# KiCad board yddraig09.kicad_pcb (continued)
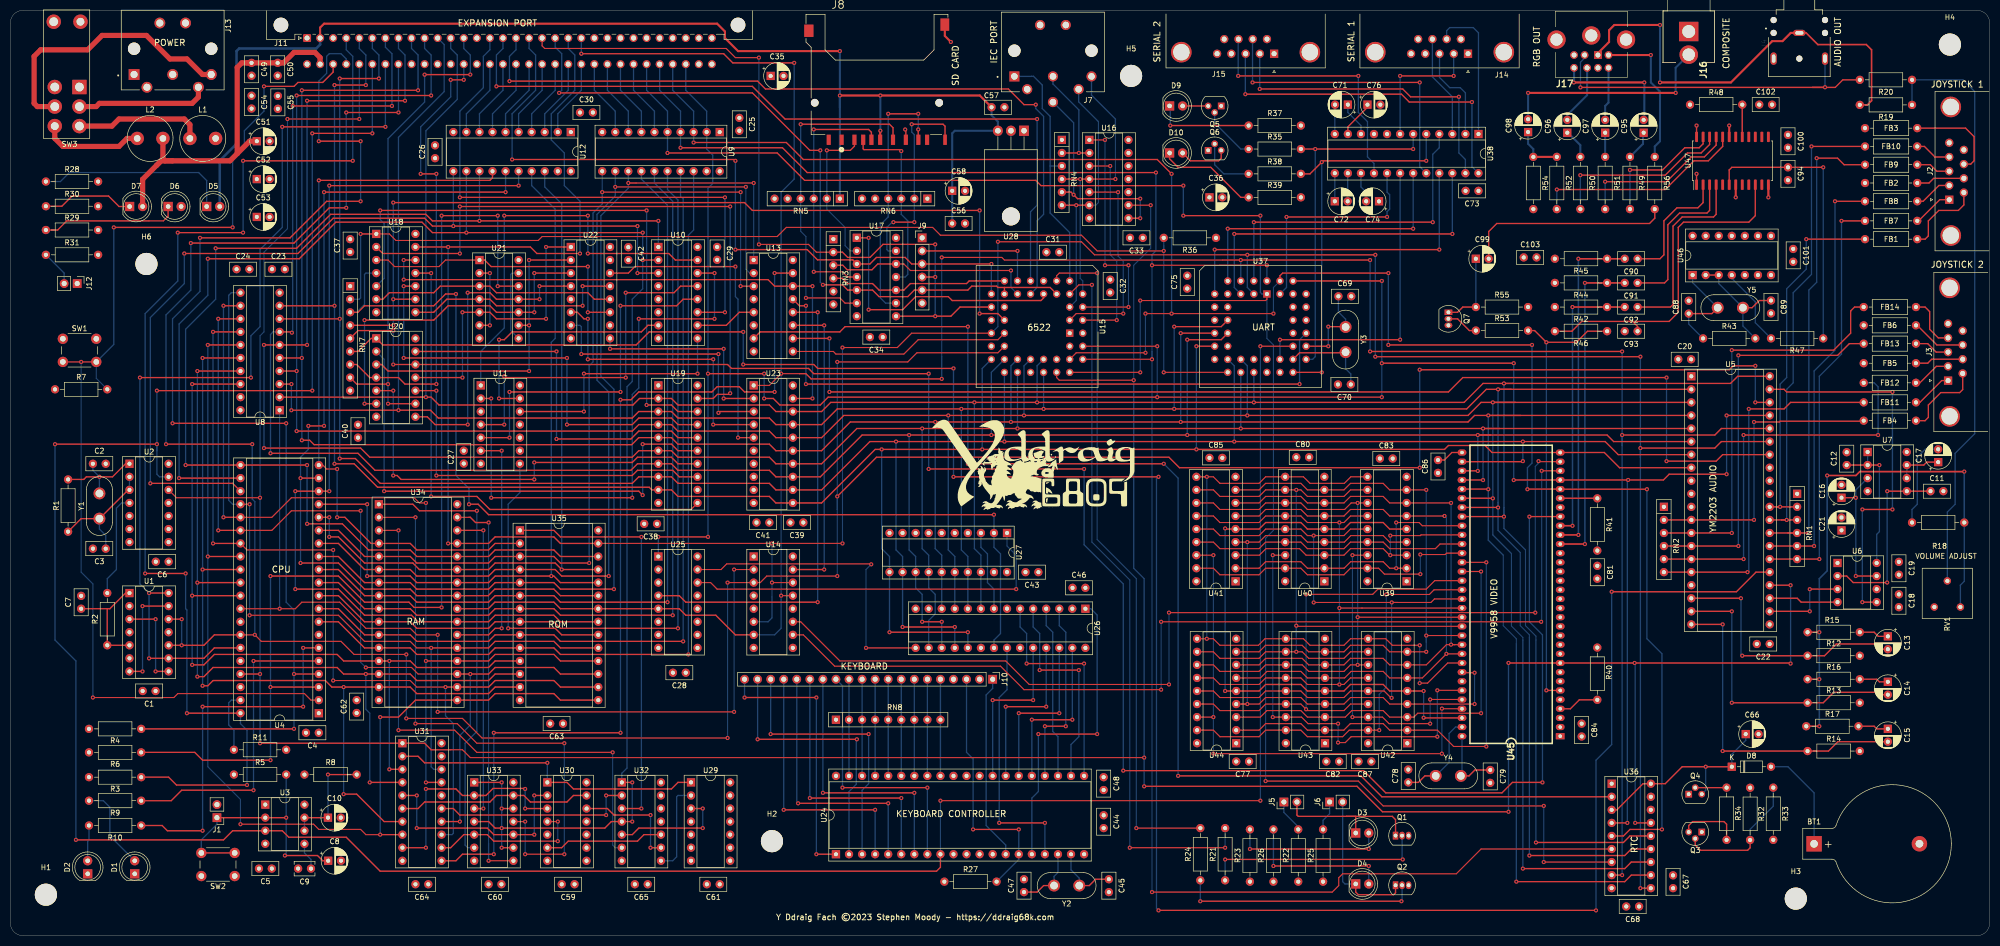
[diagram p0: board, top side]
## Routing (per net, layer and track width the routed paths; a pad name or vN(x,y) marks a point on that pad's centre or on a via; arc(x,y) is an arc through that point) (continued)
/Video/VD0: length 57.3
  Top w0.21: U45.41 274.62,79.75 274,80.37 v1(269.56,80.37) ; U41.2 242.89,71.48 244.16,72.75 251.02,72.75 252.29,71.48 U40.2 259.43,71.48 260.7,72.75 267.02,72.75 268.29,71.48 v1(269.56,71.48) U39.2
  Bottom w0.21: v1(269.56,80.37) v1(269.56,71.48)
/Video/VD1: length 53.2
  Top w0.21: v1(268.42,77.83) 274.26,77.83 274.4,77.97 U45.42 ; U41.3 242.95,74.02 244.22,75.29 250.76,75.29 252.03,74.02 U40.3 259.4,74.02 260.67,75.29 267.02,75.29 268.29,74.02 v1(268.42,74.02) U39.3
  Bottom w0.21: v1(268.42,77.83) v1(268.42,74.02)
/Video/VD2: length 54.7
  Top w0.21: U41.15 234,76.56 235.27,75.29 242.89,75.29 244.16,76.56 U40.15 251.02,76.56 252.29,75.29 259.4,75.29 260.67,76.56 U39.15 267.02,76.56 268.29,75.29 277.18,75.29 278.08,76.19 U45.43
/Video/VD3: length 58.2
  Top w0.21: U45.44 279.35,74.41 279.08,74.14 v1(274.26,74.14) ; U41.17 234,71.48 235.27,70.21 242.89,70.21 244.16,71.48 U40.17 251.02,71.48 252.29,70.21 259.4,70.21 260.67,71.48 U39.17 266.13,71.48 267.27,70.33 v1(274.26,70.33)
  Bottom w0.21: v1(274.26,70.33) v1(274.26,74.14)
/Video/VD4: length 92.6
  Top w0.21: U44.2 242.89,39.98 244.16,41.25 251.02,41.25 252.29,39.98 U43.2 259.37,39.98 260.64,41.25 267.02,41.25 268.29,39.98 U42.2 277.56,39.98 280.74,36.81 v1(287.09,36.81) ; U45.45 282.37,72.62 v1(287.09,72.62)
  Bottom w0.21: v1(287.09,36.81) v1(287.09,72.62)
/Video/VD5: length 81.3
  Top w0.21: v1(286.07,43.28) 273.75,43.28 272.99,42.52 U42.3 268.29,42.52 267.02,43.79 260.92,43.79 259.65,42.52 U43.3 252.29,42.52 251.02,43.79 244.41,43.79 243.14,42.52 U44.3 ; v1(286.07,70.84) 282.37,70.84 U45.46
  Bottom w0.21: v1(286.07,43.28) v1(286.07,70.84)
/Video/VD6: length 89.2
  Top w0.21: U45.47 277.06,69.07 275.4,67.41 266,67.41 264.99,66.4 v1(252.03,66.4) ; U44.15 234,45.06 235.27,43.79 242.89,43.79 244.16,45.06 U43.15 251.02,45.06 v1(252.03,44.04) 252.29,43.79 259.4,43.79 260.67,45.06 U42.15
  Bottom w0.21: v1(252.03,66.4) v1(252.03,44.04)
/Video/VD7: length 79.6
  Top w0.21: U44.17 234,39.98 235.27,38.71 242.89,38.71 244.16,39.98 U43.17 251.02,39.98 252.29,38.71 259.15,38.71 260.42,39.98 U42.17 v1(266.26,39.98) ; v1(267.6,66.37) 276.01,66.37 276.93,67.29 U45.48
  Bottom w0.21: v1(267.6,66.37) 267.63,66.35 267.63,48.34 266.26,46.97 v1(266.26,39.98)
/Video/VR~{W}: length 125.1
  Top w0.21: 239.46,45.06 v1(240.6,45.06) ; 239.46,45.06 242.89,45.06 244.16,46.33 251.02,46.33 252.29,45.06 U43.4 259.4,45.06 260.67,46.33 267.02,46.33 268.29,45.06 U42.4 v1(284.8,45.06) ; 239.46,45.06 U44.4 ; U45.57 282.47,51.16 v1(284.8,51.16) ; U39.4 268.29,76.56 267.02,77.83 260.73,77.83 259.46,76.56 U40.4 252.29,76.56 251.02,77.83 244.16,77.83 242.89,76.56 v1(240.6,76.56) U41.4
  Bottom w0.21: v1(240.6,45.06) v1(240.6,76.56) ; v1(284.8,45.06) v1(284.8,51.16)
/Video/~{CAS0}: length 102.2
  Top w0.21: v1(278.45,35.41) v1(234,35.41) ; U45.61 278.48,44.15 v1(278.45,44.17) ; v1(234,42.52) U44.16 ; U41.16 v1(234,74.02)
  Bottom w0.21: v1(278.45,44.17) v1(278.45,35.41) ; v1(234,35.41) v1(234,42.52) v1(234,74.02)
/Video/~{CAS1}: length 61
  Top w0.21: v1(261.05,42.52) U42.16 266.89,42.52 268.16,41.25 v1(276.16,41.25) ; U39.16 v1(261.05,74.02) ; v1(276.16,45.95) 282.34,45.95 U45.60
  Bottom w0.21: v1(261.05,74.02) v1(261.05,42.52) ; v1(276.16,45.95) v1(276.16,41.25)
/Video/~{CASX}: length 84.4
  Top w0.21: v1(277.56,47.73) 282.34,47.73 U45.59 ; v1(258.26,41.25) 252.42,41.25 251.14,42.52 U43.16 v1(245.56,42.52) ; U40.16 v1(245.56,74.02) ; v1(258.26,37.57) 259.65,37.57 260.8,38.71 v1(277.56,38.71)
  Bottom w0.21: v1(277.56,38.71) v1(277.56,47.73) ; v1(245.56,74.02) v1(245.56,42.52) ; v1(258.26,41.25) v1(258.26,37.57)
/Video/~{CSYNC}: length 87.6
  Top w0.25: R53.2 296.48,117.7 v1(298.77,115.42) 304.61,115.42 306.77,117.58 R46.1 ; v1(298.77,47.73) 298.79,47.71 U45.6
  Bottom w0.25: v1(298.77,47.73) v1(298.77,115.42)
/Video/~{RAS}: length 123.6
  Top w0.25: U41.5 239.46,79.1 ; 239.46,79.1 236.41,79.1 v1(236.29,79.22) ; 239.46,79.1 242.89,79.1 244.16,80.37 251.02,80.37 252.29,79.1 U40.5 259.4,79.1 260.67,80.37 267.02,80.37 268.29,79.1 U39.5 ; v1(274.89,47.6) U42.5 268.29,47.6 267.02,48.87 260.67,48.87 259.4,47.6 U43.5 252.29,47.6 251.02,48.87 244.16,48.87 242.89,47.6 U44.5 v1(236.29,47.6) ; v1(274.89,42.39) 274.92,42.37 U45.62
  Bottom w0.25: v1(274.89,42.39) 274.89,42.39 v1(274.89,47.6) ; v1(236.29,79.22) v1(236.29,47.6)
/VideoOut/BOUT: length 10.4
  Bottom w0.4: C97.2 310.2,161.39 310.85,162.05 J17.6
/VideoOut/CVOUT: length 42.3
  Top w0.4: v1(295.21,163.93) v1(323.92,163.93)
  Bottom w0.4: C98.2 v1(295.21,163.93) ; v1(323.92,163.93) 323.92,168.83 J16.2
/VideoOut/GOUT: length 11.7
  Bottom w0.4: J17.7 306.69,163.49 302.83,159.63 C96.2
/VideoOut/PAL_CLK: length 54.6
  Top w0.25: U47.6 334.33,148.95 334.84,149.45 C94.1 v1(352.62,149.45)
  Bottom w0.25: R47.1 v1(352.62,149.45)
/VideoOut/ROUT: length 23.9
  Top w0.4: v1(304.1,165.96) v1(317.82,165.96)
  Bottom w0.4: J17.8 304.15,166.01 v1(304.1,165.96) ; C95.2 317.82,158.81 v1(317.82,165.96)
/VideoOut/SYNCOUT: length 29.2
  Top w0.4: v1(319.09,171.3) J17.3
  Bottom w0.4: v1(319.09,171.3) 319.09,165.96 320.87,164.19 320.87,154.53 319.85,153.52 R56.1
/~{RD}: length 576.3
  Top w0.21: U14.13 v1(149.93,66.14) ; 235.78,131.42 193.36,131.42 192.85,131.93 v1(181.17,131.93) ; U23.1 147.64,107.04 v1(149.93,109.32) 153.48,109.32
  Top w0.25: v1(152.47,169.77) 140.53,169.77 138.75,171.55 v1(111.06,171.55) ; 153.48,109.32 154.75,109.32 155.77,108.31 v1(181.17,108.31) ; U36.8 v1(313.5,11.79) ; v1(313.5,113.64) v1(264.48,113.64) ; 235.78,131.42 v1(239.33,131.42) v1(264.48,131.42) ; U5.36 332.81,98.65 331.54,97.38 v1(313.5,97.38) ; U34.24 92.97,63.6 94.24,64.87 105.73,64.87 107,63.6 U35.22 U25.5 130.11,63.6 131.38,62.33 137.23,62.33 141.04,58.52 U14.7
  Bottom w0.21: 149.93,65.38 v1(149.93,66.14) v1(149.93,109.32) ; v1(181.17,131.93) 181.17,112.62
  Bottom w0.25: v1(264.48,113.64) v1(264.48,131.42) ; v1(313.5,11.79) 313.5,95.35 ; 313.5,95.35 v1(313.5,97.38) ; 313.5,95.35 v1(313.5,113.64) ; v1(181.17,108.31) 181.17,112.62 ; v1(152.47,169.77) 152.47,147.17 149.93,144.63 v1(149.93,109.32) ; U14.7 148.66,58.52 149.93,59.79 149.93,65.38 ; U37.4 v1(239.33,131.42) ; v1(111.06,171.55) J11.A22
/~{WR}: length 611.6
  Top w0.21: 239.33,132.44 210.89,132.44 208.35,134.98 v1(192.09,134.98) ; U14.14 v1(148.15,68.68) ; 146.88,76.3 v1(148.15,76.3) ; 146.88,76.3 U35.27 ; 146.88,76.3 v1(161.86,76.3) ; v1(161.86,114.4) 172.53,114.4 175.33,117.2 U15.24
  Top w0.25: v1(317.06,94.84) 331.54,94.84 332.81,96.11 U5.35 ; v1(265.5,132.44) v1(240.6,132.44) 239.33,132.44 ; U36.10 v1(317.06,9.25) ; v1(110.81,132.69) 102.43,132.69 101.16,133.96 v1(85.16,133.96) U18.13 ; U35.27 107,76.3 105.73,77.57 94.3,77.57 93.03,76.3 U34.29 v1(85.16,76.3) ; v1(317.06,112.62) v1(265.5,112.62)
  Bottom w0.21: U15.24 192.09,118.47 v1(192.09,134.98) ; 148.15,65.89 v1(148.15,68.68) v1(148.15,76.3) ; v1(161.86,76.3) v1(161.86,114.4)
  Bottom w0.25: v1(265.5,112.62) v1(265.5,132.44) ; 148.15,65.89 148.15,61.82 147.39,61.06 U14.6 ; 317.06,93.07 v1(317.06,94.84) ; 317.06,93.07 v1(317.06,9.25) ; 317.06,93.07 v1(317.06,112.62) ; v1(240.6,132.44) 240.6,126.09 U37.3 ; J11.A21 108.52,172.57 109.79,171.3 109.79,164.44 105.22,159.87 105.22,154.79 107.76,152.25 107.76,145.9 110.81,142.85 v1(110.81,132.69) ; v1(85.16,76.3) v1(85.16,133.96)
Net-(BT1-Pad1): length 20.4
  Bottom w0.25: D8.2 345.76,32.87 350.84,27.79 BT1.1
Net-(C2-Pad1): length 20.3
  Top w0.25: R1.1 14.29,88.75 14.8,89.26 18.1,89.26 ; 18.1,89.26 19.88,89.26 22.42,91.8 U2.1 ; 18.1,89.26 v1(17.34,89.26)
  Bottom w0.25: Y1.2 v1(17.34,89.26) 16.07,90.53 C2.1
Net-(C3-Pad1): length 24.2
  Top w0.25: U2.3 22.93,86.72 Y1.1 13.78,81.13 R1.2
  Bottom w0.25: U2.3 U2.2 ; Y1.1 17.34,79.1 18.57,77.87 C3.1
Net-(C8-Pad1): length 52.8
  Top w0.25: v1(53.66,22.96) U3.2 J1.1 ; SW2.2 SW2.2 ; v1(53.41,15.6) 59.76,15.6 60.77,14.58 C8.1
  Bottom w0.25: J1.1 40.2,21.69 37.15,18.64 SW2.2 ; R5.2 v1(53.66,22.96) 53.66,15.85 v1(53.41,15.6)
Net-(C9-Pad1): length 5.4
  Bottom w0.25: C9.1 58.49,14.83 57.22,16.1 U3.5
Net-(C10-Pad1): length 21.1
  Top w0.25: v1(61.79,31.34) R8.2 ; U3.7 C10.1
  Bottom w0.25: U3.6 U3.7 ; C10.1 v1(61.79,31.34)
Net-(C11-Pad1): length 36.4
  Top w0.25: v1(365.06,86.46) U7.5 C11.1 ; U6.2 357.18,69.96 358.45,68.69 v1(365.05,68.69)
  Bottom w0.25: v1(365.06,86.46) 365.05,86.45 v1(365.05,68.69)
Net-(C12-Pad1): length 28.1
  Top w0.25: C12.1 U7.2 v1(363.54,91.54)
  Bottom w0.25: v1(363.54,91.54) 363.54,78.59 363.02,78.07 U6.8 ; U7.2 U7.1
Net-(C13-Pad1): length 5.8
  Top w0.25: R15.2 362.52,59.03 363.33,58.23 C13.1
Net-(C13-Pad2): length 50.6
  Top w0.25: U5.18 v1(336.62,65.63) ; C13.2 363.54,55.73 362.52,56.74 355.16,56.74 352.87,54.46 R12.1 v1(336.87,54.46)
  Bottom w0.25: v1(336.87,54.46) 336.62,54.71 v1(336.62,65.63)
Net-(C14-Pad1): length 5.7
  Top w0.25: R16.2 363.03,49.89 363.54,49.38 C14.1
Net-(C14-Pad2): length 57
  Top w0.25: C14.2 363.75,46.88 363.29,47.35 354.65,47.35 352.62,45.31 R13.1 v1(334.84,45.31) ; v1(334.84,63.09) U5.19
  Bottom w0.25: v1(334.84,45.31) v1(334.84,63.09)
Net-(C15-Pad1): length 5.9
  Top w0.25: C15.1 363.03,40.23 362.52,40.74 R17.2
Net-(C15-Pad2): length 63.6
  Top w0.25: C15.2 355.45,37.73 353.63,35.92 R14.1 v1(333.06,35.92) ; v1(333.06,60.55) U5.20
  Bottom w0.25: v1(333.06,35.92) v1(333.06,60.55)
Net-(C16-Pad1): length 26.8
  Top w0.25: U6.7 v1(358.96,69.96) ; C16.1 358.94,85.19 v1(358.96,85.18)
  Bottom w0.25: U7.3 358.96,86.7 v1(358.96,85.18) v1(358.96,69.96)
Net-(C17-Pad1): length 8.9
  Top w0.25: U7.7 372.18,91.54 372.75,92.11 C17.1
  Bottom w0.25: U7.7 U7.6
Net-(C17-Pad2): length 17.8
  Bottom w0.25: R18.2 369.89,82.91 370.91,83.92 370.91,93.07 372.45,94.61 C17.2
Net-(C45-Pad1): length 13
  Top w0.25: Y2.1 209.87,9.75 211.1,10.98 C45.1
  Bottom w0.25: U24.19 206.31,12.8 207.91,11.2 Y2.1
Net-(C47-Pad1): length 12.8
  Top w0.25: Y2.2 200.98,9.75 199.71,8.48 C47.1
  Bottom w0.25: U24.18 203.77,12.29 203.01,11.53 Y2.2
Net-(C66-Pad1): length 40
  Top w0.25: U36.3 312.49,24.49 317.57,29.57 U36.18 321.88,29.57 325.19,32.87 v1(329.76,32.87) D8.1
  Bottom w0.25: v1(329.76,32.87) 329.76,28.3 Q4.3 ; D8.1 334.84,35.28 337.55,37.99 C66.1
Net-(C69-Pad1): length 18.1
  Top w0.25: v1(256.35,118.47) 259.65,118.47 Y3.1 ; U37.31 v1(256.35,114.66)
  Bottom w0.25: Y3.1 259.72,119.93 258.32,121.32 C69.1 ; v1(256.35,114.66) v1(256.35,118.47)
Net-(C70-Pad1): length 17.5
  Top w0.25: Y3.2 259.6,113.39 250.76,113.39 U37.30
  Bottom w0.25: Y3.2 259.72,110.27 260.73,109.26 C70.1
Net-(C71-Pad1): length 6.8
  Bottom w0.25: C71.1 260.16,160.12 262.7,157.58 U38.10
Net-(C71-Pad2): length 5.7
  Bottom w0.25: U38.12 257.62,161.61 C71.2
Net-(C72-Pad1): length 5.5
  Bottom w0.25: U38.13 C72.1
Net-(C72-Pad2): length 5.5
  Bottom w0.25: C72.2 260.12,148.27 U38.14
Net-(C74-Pad2): length 5.9
  Bottom w0.25: C74.2 263.72,144.63 262.7,145.64 U38.15
Net-(C76-Pad1): length 7.3
  Top w0.25: C76.1 263.97,161.14 260.16,157.33 U38.11
Net-(C78-Pad1): length 18.2
  Top w0.25: C78.1 273.88,29.82 275.15,31.09 Y4.1
  Bottom w0.25: U45.63 281.09,40.59 279.85,39.34 279.85,33.69 Y4.1
Net-(C79-Pad1): length 14
  Top w0.25: Y4.2 283.72,31.09 284.86,32.23 C79.1
  Bottom w0.25: U45.64 282.36,31.31 Y4.2
Net-(C86-Pad2): length 5.3
  Top w0.25: U45.33 280.39,93.99 278.92,92.52 C86.2
Net-(C88-Pad1): length 20.5
  Top w0.25: 332.1,122.15 330.95,121.01 C88.1
  Bottom w0.25: C88.1 326.46,118.97 R43.1 ; 332.1,122.15 327.22,127.03 U46.1
Net-(C89-Pad1): length 23.8
  Top w0.25: Y5.1 338.77,122.15 340.17,123.55 C89.1 ; U46.2 U46.3
  Bottom w0.25: U46.3 332.3,126.85 Y5.1 337,118.59 R43.2
Net-(C90-Pad1): length 24.6
  Top w0.25: U47.2 329.25,142.6 328.23,141.58 324.17,141.58 321.63,139.04 321.63,132.44 320.87,131.67 C90.1
Net-(C91-Pad1): length 31.1
  Top w0.25: C91.1 321.76,126.97 322.39,127.61 322.39,138.28 324.68,140.56 330.01,140.56 330.52,141.07 U47.3
Net-(C92-Pad1): length 37.4
  Top w0.25: U47.4 331.79,140.31 331.28,139.8 325.19,139.8 323.41,138.02 323.41,122.78 322.9,122.28 C92.1
Net-(C93-Pad1): length 68.1
  Top w0.25: U47.10 339.41,140.06 338.14,138.79 325.44,138.79 324.42,137.77 324.42,121.26 322.65,119.48 313.76,119.48 ; R46.2 303.72,117.58 305.63,119.48 313.76,119.48 ; 313.76,119.48 315.53,119.48 316.51,118.51 C93.1
Net-(C95-Pad1): length 5.8
  Bottom w0.4: R49.1 317.57,154.03 317.57,156.06 C95.1
Net-(C96-Pad1): length 5.8
  Bottom w0.4: C96.1 302.96,156.19 305.37,153.77 R50.1
Net-(C97-Pad1): length 4.7
  Bottom w0.4: C97.1 R51.1
Net-(C98-Pad1): length 9.8
  Top w0.4: R54.1 R52.1
  Bottom w0.4: C98.1 295.21,154.03 296.23,153.01 R54.1
Net-(C99-Pad1): length 15.2
  Top w0.25: Q7.1 281.5,121.26 282.51,122.28 R55.1
  Bottom w0.25: R55.1 C99.1
Net-(C99-Pad2): length 40.4
  Top w0.25: R56.2 319.85,139.55 318.84,138.53 289.12,138.53 287.55,136.97 C99.2
Net-(D1-Pad2): length 17
  Bottom w0.25: R9.2 18.1,26.26 19.37,24.99 19.37,19.41 D1.2
Net-(D2-Pad2): length 7
  Bottom w0.25: R10.2 15.31,18.64 15.05,18.39 D2.2
Net-(D3-Pad1): length 30.2
  Top w0.25: 259.91,23.22 261.69,23.22 D3.1 ; 259.91,23.22 268.8,23.22 269.43,22.58 Q1.1 ; 259.91,23.22 250.51,23.22 250.26,23.47 J5.2
Net-(D3-Pad2): length 30
  Top w0.25: v1(241.11,16.87) v1(264.23,16.87)
  Bottom w0.25: v1(264.23,16.87) D3.2 ; R23.2 v1(241.11,16.87)
Net-(D4-Pad1): length 29.4
  Top w0.25: Q2.1 269.43,8.36 269.05,7.98 262.19,7.98 261.69,8.48 D4.1
  Bottom w0.25: J6.2 259.15,10.52 259.59,10.07 D4.1
Net-(D4-Pad2): length 29.1
  Top w0.25: v1(245.68,13.56) v1(264.23,13.56)
  Bottom w0.25: R26.2 v1(245.68,13.56) ; v1(264.23,13.56) D4.2
Net-(D5-Pad1): length 37.7
  Bottom w0.25: D5.1 38.2,146.88 36.64,148.44 11.5,148.44 9.74,146.69 R28.1
Net-(D6-Pad1): length 26.8
  Top w0.21: 26.99,139.04 29.78,139.04 30.7,139.95
  Top w0.25: 30.7,139.95 D6.1 ; 26.99,139.04 10.99,139.04 9.21,137.26 R29.1
Net-(D7-Pad1): length 17.9
  Top w0.25: R30.1 10.02,141.88 12,143.87 19.12,143.87 21.15,141.83 D7.1
Net-(D9-Pad1): length 19.1
  Top w0.25: R37.1 v1(225.62,157.58)
  Bottom w0.25: v1(225.62,157.58) 225.62,161.25 D9.1
Net-(D9-Pad2): length 5
  Top w0.25: D9.2 Q5.3
Net-(D10-Pad1): length 19.6
  Top w0.25: D10.1 225.48,151.12 227.14,149.45 233.49,149.45 239.33,143.61 R39.1
Net-(D10-Pad2): length 9.9
  Top w0.25: D10.2 229.54,150.72 235.02,150.72 235.52,151.23 Q6.3
Net-(FB1-Pad1): length 71.4
  Top w0.25: 343.73,83.41 U5.30 ; 343.73,83.41 v1(344.24,83.41) ; 343.73,83.41 RN1.2 ; v1(349.32,135.48) FB1.1
  Bottom w0.25: v1(349.32,135.48) 349.32,129.64 345.51,125.83 345.51,108.56 344.24,107.29 v1(344.24,83.41)
Net-(FB1-Pad2): length 15.9
  Top w0.25: J2.6 379.97,142.13 378.91,141.07 375.1,141.07 373.06,139.04 373.06,136.12 372.43,135.48 FB1.2
Net-(FB2-Pad2): length 9.4
  Top w0.25: FB2.2 373.19,146.41 374.1,147.31 J2.7
Net-(FB3-Pad2): length 18.7
  Top w0.25: J2.8 381.31,150.08 381.95,150.72 381.95,155.42 380.3,157.07 FB3.2
Net-(FB4-Pad1): length 58
  Top w0.25: v1(339.16,99.92) 344.09,99.92 344.24,100.07 360.38,100.07 FB4.1 ; v1(339.16,80.87) U5.12 RN2.2
  Bottom w0.25: v1(339.16,99.92) v1(339.16,80.87)
Net-(FB4-Pad2): length 16.1
  Top w0.25: J3.6 379.74,106.22 379.16,105.64 375.48,105.64 373.06,103.23 373.06,100.81 372.43,100.18 FB4.2
Net-(FB5-Pad2): length 9.4
  Top w0.25: J3.7 373.71,112.13 372.94,111.35 FB5.2
Net-(FB6-Pad2): length 10.7
  Top w0.25: J3.8 374.73,114.9 370.91,118.72 FB6.2
Net-(FB7-Pad1): length 81.8
  Top w0.25: v1(356.17,139.04) FB7.1 ; U5.26 RN1.6 v1(351.86,73.25)
  Bottom w0.25: v1(356.17,139.04) 356.17,113.13 351.86,108.81 v1(351.86,73.25)
Net-(FB7-Pad2): length 7.9
  Top w0.25: FB7.2 371.16,139.04 375.27,143.15 J2.1
Net-(FB8-Pad1): length 83.2
  Top w0.25: U5.27 RN1.5 v1(350.84,75.79) ; FB8.1 v1(354.9,142.85)
  Bottom w0.25: v1(350.84,75.79) 350.84,109.83 354.9,113.89 v1(354.9,142.85)
Net-(FB8-Pad2): length 7.5
  Top w0.25: FB8.2 372.05,142.85 375.12,145.92 J2.2
Net-(FB9-Pad1): length 92.9
  Top w0.25: RN1.4 345.76,78.33 ; 345.76,78.33 U5.28 ; 345.76,78.33 v1(349.82,78.33) ; FB9.1 356.68,149.96 355.41,151.23 v1(351.35,151.23)
  Bottom w0.25: v1(349.82,78.33) 349.82,125.58 351.35,127.1 v1(351.35,151.23)
Net-(FB9-Pad2): length 6.7
  Top w0.25: J2.3 374.71,148.69 373.45,149.96 FB9.2
Net-(FB10-Pad1): length 91.4
  Top w0.25: 344.49,80.87 v1(345.51,80.87) ; 344.49,80.87 U5.29 ; 344.49,80.87 RN1.3 ; v1(350.33,153.52) FB10.1
  Bottom w0.25: v1(345.51,80.87) 345.51,106.27 346.78,107.54 346.78,125.07 350.33,128.63 v1(350.33,153.52)
Net-(FB10-Pad2): length 7.1
  Top w0.25: FB10.2 372.3,153.52 374.36,151.46 J2.4
Net-(FB11-Pad1): length 71
  Top w0.25: FB11.1 346.27,103.73 345,102.46 v1(338.14,102.46) ; RN2.6 U5.16 v1(337.89,70.71)
  Bottom w0.25: v1(338.14,102.46) 338.14,70.97 v1(337.89,70.71)
Net-(FB11-Pad2): length 8
  Top w0.25: FB11.2 371.41,103.73 375.66,107.98 J3.1
Net-(FB12-Pad1): length 78.3
  Top w0.25: v1(337.12,73.25) U5.15 RN2.5 ; v1(337.12,97.38) v1(363.29,97.38)
  Bottom w0.25: FB12.1 362.52,107.54 363.29,106.78 v1(363.29,97.38) ; v1(337.12,73.25) v1(337.12,97.38)
Net-(FB12-Pad2): length 7.6
  Top w0.25: J3.2 374.62,110.75 371.41,107.54 FB12.2
Net-(FB13-Pad1): length 76.9
  Top w0.25: FB13.1 357.7,115.16 355.41,112.88 v1(336.11,112.88) ; v1(336.11,75.79) U5.14 RN2.4
  Bottom w0.25: v1(336.11,75.79) v1(336.11,112.88)
Net-(FB13-Pad2): length 6.9
  Top w0.25: J3.3 374.59,113.52 372.94,115.16 FB13.2
Net-(FB14-Pad1): length 80.4
  Top w0.25: RN2.3 U5.13 v1(334.84,78.33) ; FB14.1 358.71,122.28 357.95,121.51 357.95,117.2 354.65,113.89 v1(334.84,113.89)
  Bottom w0.25: v1(334.84,78.33) v1(334.84,113.89)
Net-(FB14-Pad2): length 10.7
  Top w0.25: FB14.2 372.43,122.28 373.32,121.39 373.32,117.96 374.99,116.29 J3.4
Net-(J5-Pad1): length 6.5
  Bottom w0.25: R22.2 250.51,21.18 247.72,23.98 J5.1
Net-(J6-Pad1): length 5.9
  Bottom w0.25: R25.2 255.34,22.45 256.61,23.72 J6.1
Net-(J12-Pad2): length 7.1
  Bottom w0.25: R31.1 10.48,128.88 J12.2
Net-(J13-Pad3): length 52.7
  Top w1: SW3.5 5.26,161.28 4.64,161.9 4.64,171.04 5.91,172.31 15.05,172.31 17.85,175.11 26.48,175.11 31.05,170.54 34.36,170.54 37.38,167.51 J13.3
Net-(J13-Pad5): length 25.8
  Top w1: J13.5 36.59,163.12 35.37,161.9 17.34,161.9 16.71,161.28 SW3.2
Net-(J14-Pad2): length 26
  Top w0.25: v1(270.32,167.23) v1(280.74,167.23)
  Bottom w0.25: v1(280.74,167.23) 280.74,171.53 J14.2 ; U38.7 v1(270.32,167.23)
Net-(J14-Pad3): length 18.9
  Bottom w0.25: U38.2 283.02,163.93 282.01,164.95 279.97,164.95 277.99,166.93 J14.3
Net-(J14-Pad7): length 28.2
  Bottom w0.25: U38.1 285.56,175.62 284.55,176.63 279.97,176.63 279.38,176.03 J14.7
Net-(J14-Pad8): length 20.1
  Bottom w0.25: J14.8 276.61,167.05 280.48,163.17 U38.3
Net-(J15-Pad2): length 61.6
  Top w0.25: v1(243.02,164.69) 270.83,164.69 272.35,163.17 v1(281.75,163.17)
  Bottom w0.25: J15.2 243.02,171.53 v1(243.02,164.69) ; U38.23 283.02,150.98 281.75,152.25 v1(281.75,163.17)
Net-(J15-Pad3): length 67
  Top w0.25: v1(284.29,162.15) 272.1,162.15 270.58,163.68 v1(240.22,163.68)
  Bottom w0.25: v1(240.22,163.68) 240.22,171.5 240.27,171.55 ; U38.24 284.29,149.58 v1(284.29,162.15)
Net-(J15-Pad7): length 59
  Top w0.25: v1(241.62,165.96) v1(274.13,165.96)
  Bottom w0.25: U38.20 274.13,149.58 v1(274.13,165.96) ; 241.62,174.3 v1(241.62,165.96)
Net-(J15-Pad8): length 50.6
  Top w0.25: v1(238.83,167.23) v1(262.19,167.23)
  Bottom w0.25: U38.16 265.24,150.22 263.97,151.49 263.97,158.34 262.19,160.12 v1(262.19,167.23) ; 238.83,174.32 v1(238.83,167.23)
Net-(L1-Pad1): length 25.2
  Top w1: SW3.3 19.77,157.47 21.15,158.85 33.85,158.85 34.94,157.76 L1.1
Net-(L2-Pad1): length 19.7
  Top w1: L2.1 22.7,155.07 21.15,153.52 10.23,153.52 8.65,155.09 SW3.6
Net-(Q1-Pad2): length 43.3
  Top w0.25: v1(270.83,14.83) v1(236.29,14.83)
  Bottom w0.25: v1(270.83,14.83) 270.7,14.96 Q1.2 ; v1(236.29,14.83) R21.1
Net-(Q2-Pad2): length 46.3
  Top w0.25: v1(270.58,6.71) v1(231.46,6.71)
  Bottom w0.25: v1(231.46,6.71) R24.1 ; Q2.2 270.7,6.83 v1(270.58,6.71)
Net-(Q3-Pad2): length 26.1
  Top w0.25: R32.2 338.4,17.1 337.91,16.61 328.74,16.61 327.73,17.63 Q3.2
  Bottom w0.25: R33.1 342.9,25.2 338.4,20.7 R32.2
Net-(Q3-Pad3): length 12.2
  Top w0.25: Q3.3 326.46,21.44 327.22,22.2 333.31,22.2 333.82,21.69 R34.2
Net-(Q4-Pad2): length 6.1
  Top w0.25: Q4.2 R34.1
Net-(Q5-Pad2): length 10.7
  Bottom w0.25: Q5.2 234.25,158.09 239.33,153.01 R35.1
Net-(Q6-Pad2): length 11.4
  Bottom w0.25: Q6.2 234.25,149.96 236.03,148.18 R38.1
Net-(Q7-Pad2): length 6.3
  Top w0.25: R53.1 283.78,117.7 281.5,119.99 Q7.2
Net-(R2-Pad2): length 20.2
  Bottom w0.25: U2.4 21.66,84.18 20.64,83.16 20.64,71.22 18.86,69.44 R2.2
Net-(R9-Pad1): length 60.5
  Top w0.25: v1(47.31,53.44) U4.5 ; v1(47.31,28.3) 33.34,28.3 31.31,26.26 R9.1
  Bottom w0.25: v1(47.31,28.3) v1(47.31,53.44)
Net-(R10-Pad1): length 70.5
  Top w0.25: v1(37.4,20.42) 30.55,20.42 29.53,21.44 R10.1 ; v1(37.4,44.55) v1(56.96,44.55) ; v1(56.96,55.98) U4.6
  Bottom w0.25: v1(56.96,44.55) v1(56.96,55.98) ; v1(37.4,20.42) v1(37.4,44.55)
Net-(R11-Pad1): length 12.1
  Bottom w0.25: R11.1 43.5,39.98 42.48,41 42.48,45.31 42.99,45.82 U4.39
Net-(R19-Pad1): length 115.4
  Bottom w0.25: RV1.2 376.76,82.41 378.27,83.92 378.27,93.83 382.08,97.64 382.08,164.19 379.8,166.47 R20.1 R19.1
Net-(R40-Pad1): length 7.9
  Top w0.25: R40.1 305.18,45.89 303.44,44.15 U45.4
Net-(R41-Pad1): length 7.2
  Top w0.25: U45.27 308.65,85.09 R41.1
Net-(R47-Pad2): length 15.5
  Bottom w0.25: U46.4 334.84,127.86 339.41,123.29 339.41,119.23 R47.2
Net-(R48-Pad2): length 6.3
  Top w0.25: U47.17 R48.2
Net-(R49-Pad2): length 25.3
  Top w0.25: v1(315.03,148.95) 321.38,148.95 325.69,153.26 328.49,153.26 329.25,154.03 U47.23
  Bottom w0.25: v1(315.03,148.95) R49.2
Net-(R50-Pad2): length 35.7
  Top w0.25: U47.22 330.52,153.9 328.87,152.25 326.2,152.25 321.88,147.93 v1(305.37,147.93)
  Bottom w0.25: v1(305.37,147.93) R50.2
Net-(R51-Pad2): length 31.5
  Top w0.25: v1(310.2,146.66) 322.14,146.66 326.96,151.49 329.5,151.49 331.79,153.77 U47.21
  Bottom w0.25: v1(310.2,146.66) R51.2
Net-(R52-Pad2): length 41.4
  Top w0.25: v1(300.8,145.14) 321.88,145.14 327.47,150.72 330.27,150.72 333.06,153.52 U47.20
  Bottom w0.25: v1(300.8,145.14) R52.2
Net-(U1-Pad3): length 17.8
  Top w0.25: U1.8 v1(28.26,51.41) ; v1(28.26,61.57) U1.3
  Bottom w0.25: v1(28.26,51.41) v1(28.26,61.57)
Net-(U1-Pad13): length 20.3
  Top w0.25: v1(25.72,64.11) U1.13 ; U1.7 v1(25.72,51.41)
  Bottom w0.25: v1(25.72,51.41) v1(25.72,64.11)
Net-(U5-Pad22): length 17.5
  Top w0.25: v1(350,63.1) 349.99,63.09 U5.22 ; U6.3 350.02,67.42 v1(350,67.4)
  Bottom w0.25: v1(350,63.1) v1(350,67.4)
Net-(U5-Pad23): length 13.5
  Top w0.25: U6.4 348.32,64.88 347.57,65.63 U5.23
Net-(U5-Pad39): length 73.6
  Top w0.25: v1(366.08,105.77) 345.51,105.77 345,106.27 U5.39 ; v1(360.24,82.91) v1(366.08,82.91) ; U6.5 v1(360.23,64.88)
  Bottom w0.25: v1(366.08,82.91) v1(366.08,105.77) ; v1(360.23,64.88) 360.23,82.89 v1(360.24,82.91)
Net-(U18-Pad2): length 121.6
  Top w0.25: U18.2 72.46,132.69 v1(87.44,132.69) ; v1(87.44,141.83) v1(140.02,141.83) ; v1(140.02,105.51) 139.8,105.3 137.52,105.3 136.72,104.5 U19.19
  Bottom w0.25: v1(140.02,141.83) v1(140.02,105.51) ; v1(87.44,132.69) v1(87.44,141.83)
Net-(U18-Pad3): length 55.9
  Top w0.21: U21.1 84.65,131.42 83.38,130.15 74.74,130.15 73.47,131.42 U18.3
  Top w0.25: U21.1 92.27,131.42 93.54,130.15 v1(112.33,130.15) ; v1(112.33,121.26) U22.11
  Bottom w0.25: v1(112.33,130.15) v1(112.33,121.26)
Net-(U18-Pad5): length 115.8
  Top w0.25: U19.18 129.86,101.96 128.59,103.23 v1(123.76,103.23) ; v1(123.76,141.07) v1(71.95,141.07)
  Bottom w0.25: v1(123.76,103.23) v1(123.76,141.07) ; v1(71.95,141.07) 71.95,139.29 72.71,138.53 72.71,127.86 U18.5
Net-(U18-Pad6): length 47.6
  Top w0.25: U22.12 113.6,123.8 112.33,125.07 94.55,125.07 93.28,126.34 U21.3 83.63,126.34 82.36,125.07 73.73,125.07 72.46,123.8 U18.6
Net-(U18-Pad8): length 43.2
  Top w0.25: v1(111.32,122.53) 94.55,122.53 93.28,123.8 U21.4 84.9,123.8 82.36,121.26 U18.8 ; v1(111.32,126.34) U22.13
  Bottom w0.25: v1(111.32,122.53) v1(111.32,126.34)
Net-(U18-Pad10): length 87.4
  Top w0.25: v1(108.27,99.42) 120.97,99.42 122.24,100.69 128.59,100.69 129.86,99.42 U19.17 ; v1(76.52,112.37) v1(108.27,112.37) ; U18.10 v1(76.52,126.34)
  Bottom w0.25: v1(76.52,126.34) v1(76.52,112.37) ; v1(108.27,99.42) v1(108.27,112.37)
Net-(U18-Pad11): length 99.9
  Top w0.25: U19.11 132.4,82.91 93.28,82.91 90.74,85.45 v1(81.85,85.45) ; U18.11 v1(81.85,128.88)
  Bottom w0.25: v1(81.85,128.88) v1(81.85,85.45)
Net-(U19-Pad13): length 72.3
  Top w0.25: U20.10 v1(82.87,106.02) ; v1(82.87,89.51) 120.97,89.51 121.99,90.53 128.84,90.53 130.11,89.26 U19.13
  Bottom w0.25: v1(82.87,106.02) v1(82.87,89.51)
Net-(U19-Pad14): length 83.6
  Top w0.25: v1(74.49,89.51) 75.25,89.51 76.01,88.75 v1(101.92,88.75) ; U19.14 129.86,91.8 128.59,93.07 121.99,93.07 120.97,92.05 v1(101.92,92.05) ; U20.5 v1(74.49,106.02)
  Bottom w0.25: v1(101.92,92.05) v1(101.92,88.75) ; v1(74.49,106.02) v1(74.49,89.51)
Net-(U19-Pad15): length 99.5
  Top w0.25: U19.15 129.86,94.34 128.59,95.61 v1(123,95.61) ; v1(72.71,86.46) 122.24,86.46 v1(123,85.7)
  Bottom w0.25: v1(72.71,86.46) 72.71,112.12 U20.2 ; v1(123,95.61) v1(123,85.7)
Net-(U19-Pad16): length 73
  Top w0.25: v1(106.24,96.62) 120.72,96.62 122.24,98.15 128.59,98.15 129.86,96.88 U19.16 ; v1(106.24,113.64) U20.13
  Bottom w0.25: v1(106.24,96.62) v1(106.24,113.64)
Net-(U20-Pad3): length 62
  Top w0.25: v1(100.9,109.83) 73.47,109.83 72.2,111.1 U20.3 ; v1(100.9,131.42) U22.2 ; U21.9 v1(100.9,118.72)
  Bottom w0.25: v1(100.9,131.42) v1(100.9,118.72) v1(100.9,109.83)
Net-(U20-Pad6): length 68
  Top w0.25: v1(68.9,119.74) 82.36,119.74 85.16,122.53 93.28,122.53 94.55,121.26 U21.10 v1(101.92,121.26) ; v1(101.92,128.88) U22.3 ; v1(68.9,103.48) U20.6
  Bottom w0.25: v1(68.9,119.74) v1(68.9,103.48) ; v1(101.92,121.26) v1(101.92,128.88)
Net-(U20-Pad8): length 59.6
  Top w0.25: v1(88.97,99.42) 82.62,99.42 81.09,100.94 U20.8 ; v1(102.94,123.8) U21.11 94.55,123.8 93.28,125.07 v1(88.97,125.07) ; v1(102.94,126.34) U22.4
  Bottom w0.25: v1(102.94,123.8) v1(102.94,126.34) ; v1(88.97,125.07) v1(88.97,99.42)
Net-(U20-Pad11): length 57.4
  Top w0.25: U20.11 v1(87.95,108.56) ; v1(104.21,133.96) U22.1 ; v1(87.95,121.26) U21.5 93.28,121.26 94.55,119.99 v1(104.21,119.99)
  Bottom w0.25: v1(87.95,108.56) v1(87.95,121.26) ; v1(104.21,119.99) v1(104.21,133.96)
Net-(U21-Pad2): length 14.2
  Top w0.25: U21.2 v1(93.28,128.88) ; v1(93.28,118.72) U21.6
  Bottom w0.25: v1(93.28,128.88) v1(93.28,118.72)
Net-(U21-Pad13): length 14.7
  Bottom w0.25: U21.8 97.35,117.7 97.35,128.63 97.6,128.88 U21.13
Net-(U22-Pad6): length 56.9
  Top w0.25: U22.6 110.05,121.26 ; 110.05,121.26 109.79,121.26 ; 110.05,121.26 110.3,121.26 111.57,119.99 v1(112.33,119.99) ; U23.4 v1(136.72,99.42) ; v1(112.33,112.12) v1(136.72,112.12)
  Bottom w0.25: v1(136.72,99.42) v1(136.72,112.12) ; v1(112.33,119.99) v1(112.33,112.12)
Net-(U22-Pad7): length 52.5
  Top w0.25: v1(137.73,101.7) 137.99,101.96 U23.3 ; v1(111.06,113.13) v1(137.73,113.13)
  Bottom w0.25: v1(111.06,113.13) 111.06,118.47 110.81,118.72 U22.7 ; v1(137.73,101.7) v1(137.73,113.13)
Net-(U22-Pad9): length 39.6
  Top w0.25: v1(116.65,114.15) v1(138.75,114.15) ; v1(138.75,104.5) U23.2
  Bottom w0.25: v1(116.65,114.15) U22.9 ; v1(138.75,104.5) v1(138.75,114.15)
Net-(U22-Pad14): length 61.4
  Top w0.25: U23.5 v1(141.54,96.88) ; v1(141.04,130.15) 121.48,130.15 120.21,128.88 U22.14
  Bottom w0.25: v1(141.04,130.15) 141.04,124.31 141.54,123.8 v1(141.54,96.88)
Net-(U29-Pad2): length 17.9
  Bottom w0.25: U29.2 129.86,27.28 129.61,27.03 129.61,15.34 128.84,14.58 U32.8
Net-(U29-Pad3): length 22.4
  Top w0.25: U32.5 120.97,19.66 122.24,20.93 v1(134.69,20.93) ; v1(134.69,24.74) U29.3
  Bottom w0.25: v1(134.69,20.93) v1(134.69,24.74)
Net-(U30-Pad6): length 23.2
  Top w0.25: U32.10 123.26,19.66 121.99,18.39 108.52,18.39 107.25,17.12 U30.6
Net-(U30-Pad12): length 21.4
  Top w0.25: v1(124.53,23.47) 117.41,23.47 116.14,24.74 U30.12 ; v1(124.53,17.12) U32.9
  Bottom w0.25: v1(124.53,23.47) v1(124.53,17.12)

## Copper pours and planes (outline as drawn; the poured copper is in the pictures)
+5V on In2.Cu: 386.4,-3.2 -2.22,-3.2 -2.22,182.22 386.4,182.22
GND on In1.Cu: 388.94,-5.74 -4.76,-5.74 -4.76,184.76 388.94,184.76

## Text on the board
F.Fab: 100R
F.Silkscreen: VOLUME ADJUST | Y Ddraig Fach ©2023 Stephen Moody - https://ddraig68k.com | POWER | CPU | RAM | EXPANSION PORT | ROM | KEYBOARD | KEYBOARD CONTROLLER | 6522 | UART | JOYSTICK 1 | JOYSTICK 2 | SD CARD | IEC PORT | SERIAL 2 | SERIAL 1 | V9958 VIDEO | RGB OUT | RTC | YM2203 AUDIO | COMPOSITE | AUDIO OUT
